# KiCad board sakura50.kicad_pcb (continued)
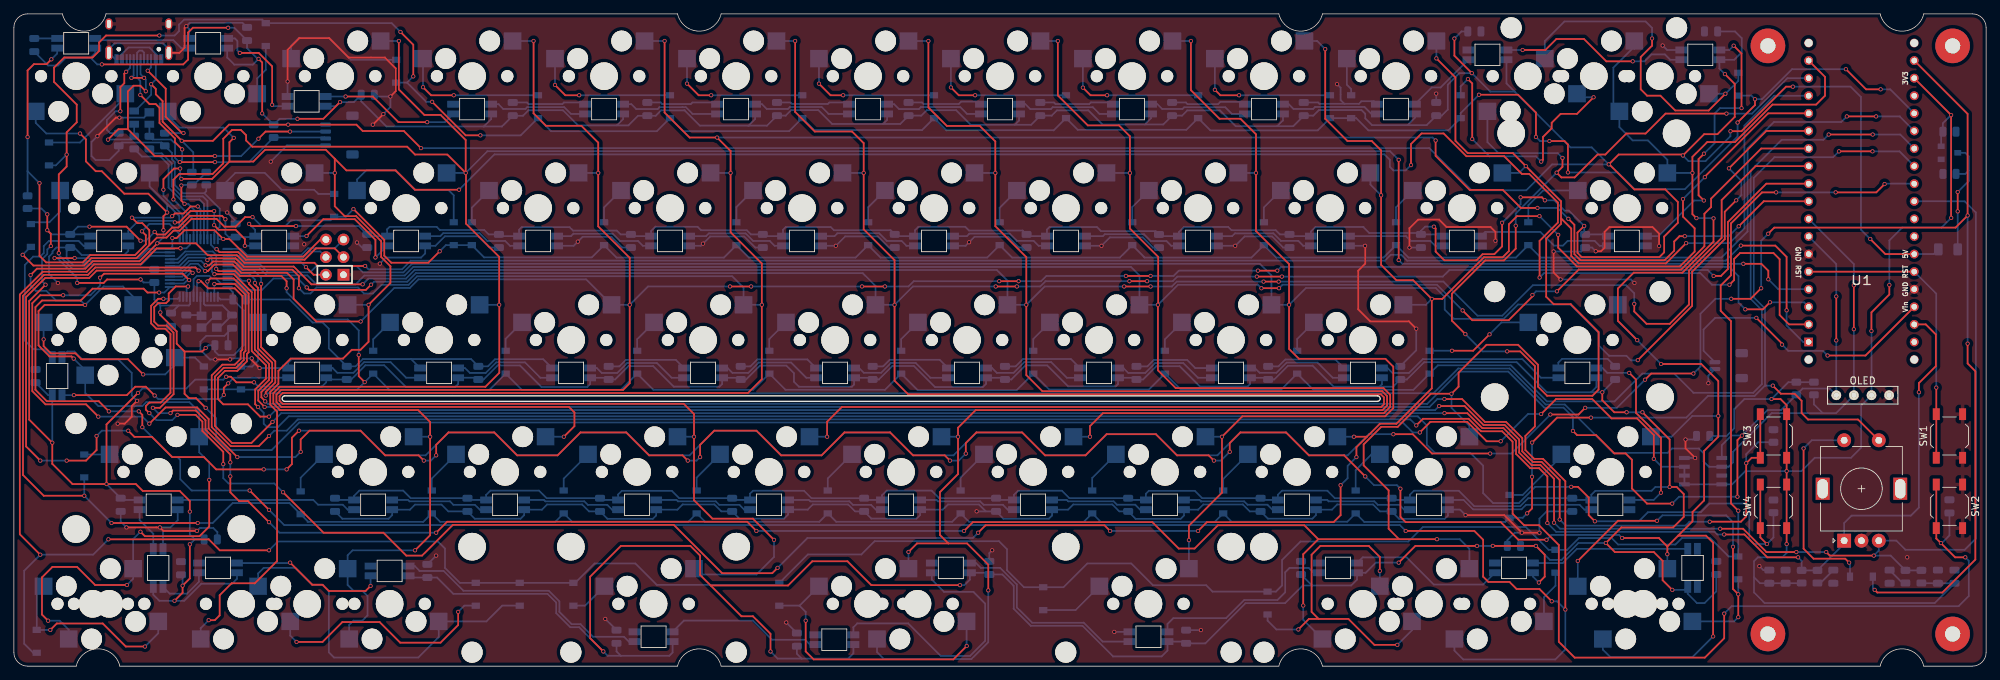
[diagram p0: board, top side]
## Footprints (pads in the part's own frame, mm; a bottom-side part is the same pattern mirrored in y, then rotated) (continued)
  rect 1.7x1.7 hole 1: 6(1.27,-2.54)
RotaryEncoder_EC11
  rect 3.2x2 hole 2.8x1.5 unplated: (0,5.6) (0,-5.6)
  rect 2x2 hole 1: A(-7.5,2.5)
  round 2 hole 1: B(-7.5,-2.5) C(-7.5,0) S1(7,-2.5) S2(7,2.5)
SOT-143
  rect 1.4x1.2 smd: 1(-1.1,0.77)
  rect 1.4x1 smd: 2(-1.1,-0.95) 3(1.1,-0.95) 4(1.1,0.95)
SW_SPST_TL3342
  rect 1.7x1 smd: 1(-3.15,1.9) 1(3.15,1.9) 2(-3.15,-1.9) 2(3.15,-1.9)
Torex-XC6206P332MR
  rect 1x0.8 smd: 1(-1.2,0.95) 2(-1.2,-0.95) 3(1.2,0)
YS-SK6812MINI-E
  rect 1.7x1 smd: 1(2.75,0.7) 2(2.75,-0.7) 3(-2.75,-0.7) 4(-2.75,0.7)

## Nets
/VBatt: J4.1 U1.32
/VBUS: C78.1 F1.2 RG1.3
/VCC: C1.2 C24.2 C25.2 C26.2 C27.2 C28.2 C30.2 C31.1 C76.2 C77.2 J1.3 J2.1 R4.1 R5.1 R14.2 R15.2 RG1.2 SW3.2 SW4.2 U1.19 U2.1 U2.9 U2.24 U2.36 U2.48 U3.1 U3.2 U3.3 U3.8
GND: C1.1 C2.2 C3.2 C8.2 C9.2 C10.2 C11.2 C12.2 C13.2 C14.2 C15.2 C16.2 C17.2 C18.2 C19.2 C20.2 C21.2 C22.2 C24.1 C25.1 C26.1 C27.1 C28.1 C29.1 C30.1 C31.2 C32.1 C33.1 C34.1 C35.1 C36.1 C37.1 C38.1 C39.1 C40.1 C41.1 C42.1 C43.1 C44.1 C45.1 C46.2 C47.2 C48.2 C49.2 C50.2 C51.2 C52.2 C53.2 C54.2 C55.2 C56.2 C57.2 C58.2 C59.2 C60.1 C61.1 C62.1 C63.1 C64.1 C65.1 C66.1 C67.1 C68.1 C69.1 C70.1 C71.1 C72.1 C73.1 C74.2 C75.2 C76.1 C77.1 C78.2 J1.4 J2.6 J3.4 J4.2 LED1.3 LED2.3 LED3.3 LED4.3 LED5.3 LED6.3 LED7.3 LED8.3 LED9.3 LED10.3 LED11.3 LED12.3 LED13.3 LED14.3 LED15.3 LED16.3 LED17.3 LED18.3 LED19.3 LED20.3 LED21.3 LED22.3 LED23.3 LED24.3 LED25.3 LED26.3 LED27.3 LED28.3 LED29.3 LED30.3 LED31.3 LED32.3 LED33.3 LED34.3 LED35.3 LED36.3 LED37.3 LED38.3 LED39.3 LED40.3 LED41.3 LED42.3 LED43.3 LED44.3 LED45.3 LED46.3 LED47.3 LED48.3 LED49.3 LED50.3 LED51.3 LED52.3 LED53.3 LED54.3 LED55.3 LED56.3 LED57.3 MX50.C R3.2 R7.1 R8.2 R11.2 R12.2 RG1.1 SW1.2 SW2.1 U1.6 U1.31 U2.8 U2.23 U2.35 U2.47 U3.4 U3.7 USB1.1 USB1.12 USB1.13 USB2.1 Y1.2 Y1.4
/Boot0: R3.1 SW3.1 U2.44
/Boot1: R12.1 SW4.1 U2.20
/DM: J3.2 R1.2 USB1.5 USB1.7 USB2.3
/DP: J3.3 R2.2 R9.2 USB1.6 USB1.8 USB2.2
/USB_DETECT: R10.2 R11.1 U2.30
/VUSB: C10.1 C11.1 C12.1 C13.1 C14.1 C15.1 C16.1 C17.1 C18.1 C19.1 C20.1 C21.1 C22.1 C32.2 C33.2 C34.2 C35.2 C36.2 C37.2 C38.2 C39.2 C40.2 C41.2 C42.2 C43.2 C44.2 C45.2 C46.1 C47.1 C48.1 C49.1 C50.1 C51.1 C52.1 C53.1 C54.1 C55.1 C56.1 C57.1 C58.1 C59.1 C60.2 C61.2 C62.2 C63.2 C64.2 C65.2 C66.2 C67.2 C68.2 C69.2 C70.2 C71.2 C72.2 C73.2 C74.1 C75.1 F1.1 J3.1 LED1.1 LED2.1 LED3.1 LED4.1 LED5.1 LED6.1 LED7.1 LED8.1 LED9.1 LED10.1 LED11.1 LED12.1 LED13.1 LED14.1 LED15.1 LED16.1 LED17.1 LED18.1 LED19.1 LED20.1 LED21.1 LED22.1 LED23.1 LED24.1 LED25.1 LED26.1 LED27.1 LED28.1 LED29.1 LED30.1 LED31.1 LED32.1 LED33.1 LED34.1 LED35.1 LED36.1 LED37.1 LED38.1 LED39.1 LED40.1 LED41.1 LED42.1 LED43.1 LED44.1 LED45.1 LED46.1 LED47.1 LED48.1 LED49.1 LED50.1 LED51.1 LED52.1 LED53.1 LED54.1 LED55.1 LED56.1 LED57.1 R9.1 R10.1 R13.1 U1.29 USB1.2 USB1.11 USB2.4
col0: MX1.2 MX15.2 MX27.2 MX28.2 MX39.2 MX51.2 MX60.2 U1.1 U2.26
col1: MX2.2 MX16.2 MX29.2 MX52.2 U1.2 U2.27
col2: MX3.2 MX17.2 MX30.2 MX40.2 MX53.2 MX61.2 U1.4 U2.29
col3: MX4.2 MX18.2 MX31.2 MX41.2 U1.3 U2.17
col4: MX5.2 MX19.2 MX32.2 MX42.2 MX54.2 U1.9 U2.18
col5: MX6.2 MX20.2 MX33.2 MX43.2 U1.10 U2.46
col6: MX7.2 MX21.2 MX34.2 MX44.2 MX55.2 MX62.2 U1.11 U2.19
col7: MX8.2 MX22.2 MX35.2 MX45.2 U1.12 U2.41
col8: MX9.2 MX23.2 MX36.2 MX46.2 MX56.2 U1.13 U2.40
col9: MX10.2 MX24.2 MX37.2 MX47.2 U1.14 U2.12
col10: MX11.2 MX25.2 MX48.2 MX57.2 MX63.2 U1.15 U2.10
col11: MX12.2 MX58.2 U1.16 U2.13
col12: MX13.2 MX14.2 MX26.2 MX38.2 MX49.2 MX59.2 MX64.2 U1.17 U2.14
col13: D48.2 U1.18 U2.15
D+: R2.1 U2.33
D-: R1.1 U2.32
JTDI: J2.3 U2.38
JTDO: J2.5 U2.39
NRST: C29.2 SW2.2 U2.7
rot0: MX50.A R4.2 R16.1 U1.33 U2.2
rot1: MX50.B R5.2 R17.1 U1.26 U2.4
row0: D1.1 D2.1 D3.1 D4.1 D5.1 D6.1 D7.1 D8.1 D9.1 D10.1 D11.1 D12.1 D13.1 U1.21 U2.22
row1: D14.1 D15.1 D16.1 D17.1 D18.1 D19.1 D20.1 D21.1 D22.1 D23.1 D24.1 D25.1 U1.22 U2.31
row2: D26.1 D27.1 D28.1 D29.1 D30.1 D31.1 D32.1 D33.1 D34.1 D35.1 D36.1 U1.23 U2.21
row3: D37.1 D38.1 D39.1 D40.1 D41.1 D42.1 D43.1 D44.1 D45.1 D46.1 D47.1 MX50.S1 U1.24 U2.16
row4: D49.1 D50.1 D51.1 D52.1 D53.1 D54.1 D55.1 D56.1 D57.1 U1.25 U2.28
RST: SW1.1 U1.5 U1.30
SCL: J1.2 R14.1 U1.8 U2.42 U3.6
SDA: J1.1 R15.1 U1.7 U2.43 U3.5
SK6812: LED1.4 R13.2 U2.25
SWCLK-JTCK: J2.2 U2.37
SWDIO-JTMS: J2.4 U2.34
XTAL1: C8.1 U2.5 Y1.3
XTAL2: C9.1 U2.6 Y1.1
Net-(C2-Pad1): C2.1 R16.2
Net-(C3-Pad1): C3.1 R17.2
Net-(D1-Pad2): D1.2 MX1.1
Net-(D2-Pad2): D2.2 MX2.1
Net-(D3-Pad2): D3.2 MX3.1
Net-(D4-Pad2): D4.2 MX4.1
Net-(D5-Pad2): D5.2 MX5.1
Net-(D6-Pad2): D6.2 MX6.1
Net-(D7-Pad2): D7.2 MX7.1
Net-(D8-Pad2): D8.2 MX8.1
Net-(D9-Pad2): D9.2 MX9.1
Net-(D10-Pad2): D10.2 MX10.1
Net-(D11-Pad2): D11.2 MX11.1
Net-(D12-Pad2): D12.2 MX12.1
Net-(D13-Pad2): D13.2 MX13.1 MX14.1
Net-(D14-Pad2): D14.2 MX15.1
Net-(D15-Pad2): D15.2 MX16.1
Net-(D16-Pad2): D16.2 MX17.1
Net-(D17-Pad2): D17.2 MX18.1
Net-(D18-Pad2): D18.2 MX19.1
Net-(D19-Pad2): D19.2 MX20.1
Net-(D20-Pad2): D20.2 MX21.1
Net-(D21-Pad2): D21.2 MX22.1
Net-(D22-Pad2): D22.2 MX23.1
Net-(D23-Pad2): D23.2 MX24.1
Net-(D24-Pad2): D24.2 MX25.1
Net-(D25-Pad2): D25.2 MX26.1
Net-(D26-Pad2): D26.2 MX27.1 MX28.1
Net-(D27-Pad2): D27.2 MX29.1
Net-(D28-Pad2): D28.2 MX30.1
Net-(D29-Pad2): D29.2 MX31.1
Net-(D30-Pad2): D30.2 MX32.1
Net-(D31-Pad2): D31.2 MX33.1
Net-(D32-Pad2): D32.2 MX34.1
Net-(D33-Pad2): D33.2 MX35.1
Net-(D34-Pad2): D34.2 MX36.1
Net-(D35-Pad2): D35.2 MX37.1
Net-(D36-Pad2): D36.2 MX38.1
Net-(D37-Pad2): D37.2 MX39.1
Net-(D38-Pad2): D38.2 MX40.1
Net-(D39-Pad2): D39.2 MX41.1
Net-(D40-Pad2): D40.2 MX42.1
Net-(D41-Pad2): D41.2 MX43.1
Net-(D42-Pad2): D42.2 MX44.1
Net-(D43-Pad2): D43.2 MX45.1
Net-(D44-Pad2): D44.2 MX46.1
Net-(D45-Pad2): D45.2 MX47.1
Net-(D46-Pad2): D46.2 MX48.1
Net-(D47-Pad2): D47.2 MX49.1
Net-(D48-Pad1): D48.1 MX50.S2
Net-(D49-Pad2): D49.2 MX51.1 MX60.1
Net-(D50-Pad2): D50.2 MX52.1
Net-(D51-Pad2): D51.2 MX53.1 MX61.1
Net-(D52-Pad2): D52.2 MX54.1
Net-(D53-Pad2): D53.2 MX55.1 MX62.1
Net-(D54-Pad2): D54.2 MX56.1
Net-(D55-Pad2): D55.2 MX57.1 MX63.1
Net-(D56-Pad2): D56.2 MX58.1
Net-(D57-Pad2): D57.2 MX59.1 MX64.1
Net-(LED1-Pad2): LED1.2 LED2.4
Net-(LED2-Pad2): LED2.2 LED3.4
Net-(LED3-Pad2): LED3.2 LED4.4
Net-(LED4-Pad2): LED4.2 LED5.4
Net-(LED5-Pad2): LED5.2 LED6.4
Net-(LED6-Pad2): LED6.2 LED7.4
Net-(LED7-Pad2): LED7.2 LED8.4
Net-(LED8-Pad2): LED8.2 LED9.4
Net-(LED10-Pad2): LED10.2 LED11.4
Net-(LED10-Pad4): LED9.2 LED10.4
Net-(LED11-Pad2): LED11.2 LED12.4
Net-(LED12-Pad2): LED12.2 LED13.4
Net-(LED13-Pad2): LED13.2 LED14.4
Net-(LED14-Pad2): LED14.2 LED15.4
Net-(LED15-Pad2): LED15.2 LED16.4
Net-(LED16-Pad2): LED16.2 LED17.4
Net-(LED17-Pad2): LED17.2 LED18.4
Net-(LED18-Pad2): LED18.2 LED19.4
Net-(LED19-Pad2): LED19.2 LED20.4
Net-(LED20-Pad2): LED20.2 LED21.4
Net-(LED21-Pad2): LED21.2 LED22.4
Net-(LED22-Pad2): LED22.2 LED23.4
Net-(LED23-Pad2): LED23.2 LED24.4
Net-(LED24-Pad2): LED24.2 LED25.4
Net-(LED25-Pad2): LED25.2 LED26.4
Net-(LED26-Pad2): LED26.2 LED27.4
Net-(LED27-Pad2): LED27.2 LED28.4
Net-(LED28-Pad2): LED28.2 LED29.4
Net-(LED29-Pad2): LED29.2 LED30.4
Net-(LED30-Pad2): LED30.2 LED31.4
Net-(LED31-Pad2): LED31.2 LED32.4
Net-(LED32-Pad2): LED32.2 LED33.4
Net-(LED33-Pad2): LED33.2 LED34.4
Net-(LED34-Pad2): LED34.2 LED35.4
Net-(LED35-Pad2): LED35.2 LED36.4
Net-(LED36-Pad2): LED36.2 LED37.4
Net-(LED37-Pad2): LED37.2 LED38.4
Net-(LED38-Pad2): LED38.2 LED39.4
Net-(LED39-Pad2): LED39.2 LED40.4
Net-(LED40-Pad2): LED40.2 LED41.4
Net-(LED41-Pad2): LED41.2 LED42.4
Net-(LED42-Pad2): LED42.2 LED43.4
Net-(LED43-Pad2): LED43.2 LED44.4
Net-(LED44-Pad2): LED44.2 LED45.4
Net-(LED45-Pad2): LED45.2 LED46.4
Net-(LED46-Pad2): LED46.2 LED47.4
Net-(LED47-Pad2): LED47.2 LED48.4
Net-(LED48-Pad2): LED48.2 LED49.4
Net-(LED49-Pad2): LED49.2 LED50.4
Net-(LED50-Pad2): LED50.2 LED51.4
Net-(LED51-Pad2): LED51.2 LED52.4
Net-(LED52-Pad2): LED52.2 LED53.4
Net-(LED53-Pad2): LED53.2 LED54.4
Net-(LED54-Pad2): LED54.2 LED55.4
Net-(LED55-Pad2): LED55.2 LED56.4
Net-(LED56-Pad2): LED56.2 LED57.4
Net-(R7-Pad2): R7.2 USB1.4
Net-(R8-Pad1): R8.1 USB1.10

Pads without a net: J3 MP; J4 MP; LED57 2; U1 20 27 28 34; U2 3 11 45; USB1 3 9

## Via types
v1: diameter 0.6, hole 0.4, Top to Bottom, 522 vias

## Routing (per net, layer and track width the routed paths; a pad name or vN(x,y) marks a point on that pad's centre or on a via; arc(x,y) is an arc through that point)
/VBatt: length 41.8
  Top w0.25: U1.32 267.29,44.86 v1(261.81,44.86) ; v1(255.24,46.44) 255.24,46.59 v1(251.53,50.29)
  Bottom w0.25: v1(261.81,44.86) 261.13,45.54 256.14,45.54 v1(255.24,46.44) ; J4.1 243.91,45.53 243.91,48.62 245.58,50.29 v1(251.53,50.29)
/VBUS: length 18
  Top w0.25: v1(280.59,65.67) v1(280.59,68.47)
  Bottom w0.25: 282.19,71.59 281.69,71.09 C78.1 ; 282.19,71.59 282.19,70.07 v1(280.59,68.47) ; 282.19,71.59 282.19,73.63 281.69,74.13 RG1.3 ; F1.2 v1(280.59,65.67)
/VCC: length 538.9
  Top w0.25: v1(220.46,36.42) 222.62,38.57 227.84,38.57 230.63,35.78 234.31,35.78 236.73,33.37 v1(236.73,29.94) ; U1.19 v1(279.64,79.59) 279.64,64.75 ; v1(202.95,33.75) 204.47,35.28 209.8,35.28 212.6,32.48 v1(214.63,32.48) ; v1(27.69,37.3) 26.29,38.7 25.27,38.7 24.64,39.34 24.64,45.43 ; v1(253.72,38.57) 255.02,38.57 255.9,37.69 SW3.2 SW3.2 v1(255.9,28.17) SW4.2 SW4.2 v1(255.9,17.63) ; J2.1 44.24,61.61 41.78,59.15 33.65,59.15 31.11,61.69 v1(30.23,61.69) 28.96,62.96 24.64,62.96 23.5,61.81 22.9,61.81 v1(22.88,61.83) ; 24.64,45.43 23.51,46.56 23.51,48.34 21.14,50.7 v1(21.14,51.08) ; 24.64,45.43 27.18,45.43 v1(27.69,45.94) ; v1(268.14,48.4) 268.14,51.09 270.72,53.67 v1(270.72,55.04) ; v1(5.88,58.93) v1(8.77,58.93) ; v1(9.14,55.34) 12.95,55.34 13.46,55.85 v1(18.29,55.85)
  Bottom w0.25: U2.9 25.44,52.26 25.26,52.09 23.79,52.09 ; C27.2 23.79,52.09 ; 23.79,52.09 21.14,52.09 ; v1(30.23,61.69) 30.21,61.67 U2.36 ; U2.1 29.83,52.95 C25.2 ; R14.2 R15.2 256.15,41.01 v1(253.72,38.57) 249.8,38.57 248.34,37.11 248.34,34.35 247.23,33.24 C31.1 ; C25.2 31.61,54 U2.48 ; C25.2 33.2,51.37 33.2,46.37 31.75,44.92 29.55,44.92 29.02,45.45 C26.2 28.09,46.34 v1(27.69,45.94) ; v1(255.9,17.63) 255.9,16.34 255.27,15.71 251.75,15.71 251.19,15.15 251.19,12.84 ; v1(214.63,32.48) 218.57,36.42 v1(220.46,36.42) ; v1(236.73,29.94) 237.87,28.8 U3.3 241.14,26.26 248.03,26.26 249.94,28.17 v1(255.9,28.17) 258.04,28.17 259.96,30.09 265.19,30.09 266.65,31.56 266.65,37.63 J1.3 268.15,48.39 v1(268.14,48.4) ; RG1.2 278.2,76.93 C77.2 278.45,78.4 v1(279.64,79.59) ; 21.14,52.09 v1(21.14,51.08) ; 21.14,52.09 20.28,52.95 C28.2 18.73,55.4 v1(18.29,55.85) ; 251.19,12.84 252.06,11.97 C24.2 C1.2 258.03,11.97 R4.1 ; 251.19,12.84 251.19,10.65 252.73,9.11 277.27,9.11 C30.2 C76.2 275.39,11.97 R5.1 ; v1(5.88,58.93) 6.28,58.93 9.14,56.07 v1(9.14,55.34) ; v1(279.65,64.74) 278.26,63.34 272.59,63.34 270.72,61.47 v1(270.72,55.04) ; v1(27.69,37.3) 29.21,35.78 29.21,32.99 30.99,31.21 37.21,31.21 41.19,35.18 200.49,35.18 201.93,33.75 v1(202.95,33.75) ; v1(8.77,58.93) 18.07,58.93 19.4,60.26 U2.24 22.88,60.61 v1(22.88,61.83)
GND: length 874.8
  Top w0.25: v1(34.33,44.46) 34.33,44.18 v1(35.46,43.05) ; v1(39.51,84.44) 39.51,89.01 41.2,90.7 45.52,90.7 48.33,87.89 53.55,87.89 55.12,86.32 55.12,83.03 v1(54.36,82.26) ; v1(223.27,55.85) 222.26,56.85 v1(222.26,59.88) ; v1(16.26,20.03) 16.26,20.03 v1(21.08,20.03) 21.59,19.52 v1(26.42,19.52) ; v1(201.45,60.45) 201.45,63.24 202.69,64.48 205.74,64.48 206.81,63.41 213.16,63.41 213.87,62.7 v1(213.87,61.43) ; v1(241.3,32.73) 241.3,31.46 v1(242.7,30.06) ; v1(15.24,79.21) 14.74,79.21 v1(12.06,76.54) ; v1(228.35,59.91) 229.11,59.91 229.62,60.42 229.62,62.7 230.32,63.41 236.53,63.41 237.49,62.45 v1(237.49,60.67) ; v1(17.78,38.32) 17.02,37.56 17.02,36.03 16,35.02 v1(14.99,35.02) ; v1(202.44,48.73) 201.37,49.8 195.79,49.8 194.06,51.53 194.06,57.12 195.07,58.13 195.07,60.67 v1(195.04,60.7) ; v1(220.22,19.27) v1(217.68,19.27) 215.14,21.81 v1(209.55,21.81) ; v1(24.89,92.42) 24.64,92.17 24.64,89.32 23.89,88.56 USB1.13 ; v1(31.2,44.29) v1(29.09,44.29) ; v1(53.34,79.72) v1(51.82,78.2)
  Bottom w0.25: USB1.1 14.64,87.65 13.72,88.56 13.72,89.12 14.56,89.95 21.52,89.95 22.36,89.11 USB1.13 ; U2.35 28.94,62.66 29.72,63.44 29.72,66.07 27.49,68.29 ; v1(12.06,76.54) 11.2,75.67 11.2,73.69 11.79,73.09 13.8,73.09 15.14,74.43 R7.1 15.61,75.61 21.32,75.61 R8.2 22.82,74.11 22.82,73.21 23.25,72.78 23.25,69.46 24.41,68.29 27.49,68.29 ; LED30.3 95.56,44.23 88.34,44.23 87.41,43.3 C47.2 ; 46.95,44.41 45.47,45.89 45.47,48.73 44.58,49.62 43.13,49.62 39.8,52.95 C25.1 33.51,53.83 32.08,55.26 U2.47 29.89,55.26 29.17,55.98 28.61,55.98 28.24,56.35 26.42,56.35 25.94,55.88 U2.8 ; 46.95,44.41 C45.1 49.33,43.3 50.38,44.35 57.34,44.35 ; 46.95,44.41 40.16,44.41 39.59,43.84 LED27.3 v1(35.46,43.05) ; C10.2 2.95,90.65 LED1.3 ; LED34.3 170.53,43.05 169.36,44.22 164.55,44.22 163.64,43.3 C51.2 ; C67.1 29.37,19.36 28.78,19.95 26.85,19.95 v1(26.42,19.52) ; LED31.3 114.54,44.3 107.32,44.3 106.32,43.3 C48.2 ; v1(223.27,55.85) 233.43,55.85 v1(233.93,55.34) ; LED18.3 v1(157,60.7) 158.22,61.92 162.96,61.92 164.44,60.44 C35.1 ; v1(34.33,44.46) 31.37,44.46 v1(31.2,44.29) ; v1(141.22,16.73) 140.8,16.31 C71.1 ; v1(30.79,65.51) 32.02,64.28 C42.1 ; v1(228.35,59.91) 227.81,60.45 C32.1 226.24,59.88 v1(222.26,59.88) ; C31.2 242.38,32.73 v1(241.3,32.73) ; C34.1 183.23,60.45 181.62,62.06 177.66,62.06 v1(176.3,60.7) LED17.3 ; C52.2 182.55,43.3 183.54,44.28 190.75,44.28 LED35.3 ; v1(217.68,19.27) 216.66,19.27 215.59,18.19 C74.2 ; LED33.3 152.58,44.36 145.67,44.36 144.62,43.3 C50.2 ; C55.2 221.27,22.35 220.22,21.3 v1(220.22,19.27) ; USB2.1 18.79,79.21 v1(15.24,79.21) ; R11.2 27.78,68.58 27.49,68.29 ; C40.1 68.67,60.45 67.04,62.08 62.23,62.08 60.85,60.7 LED23.3 59.38,59.6 58.78,59 53.7,59 v1(52.83,58.13) ; LED11.3 196.33,81.57 194.52,81.57 194.16,81.21 192.06,81.21 ; v1(85.37,6.82) C69.1 ; v1(238,89.63) 238.65,88.98 LED13.3 ; C43.1 8.73,60.45 9.8,59.38 15.94,59.38 16.51,59.95 LED25.3 ; C43.1 7.62,59.93 7.62,58.86 8.63,57.85 9.88,57.85 10.51,58.48 18.25,58.48 19.53,59.76 U2.23 ; C43.1 6.13,60.45 5.59,59.91 5.59,59.65 5.08,59.15 5.08,56.61 v1(6.35,55.34) ; C38.1 107.03,60.45 105.43,62.05 100.52,62.05 v1(99.48,61.01) 99.17,60.7 LED21.3 ; 140.3,22.35 v1(138.97,22.35) ; 140.3,22.35 C59.2 142.84,21.29 149.4,21.29 149.86,21.75 LED41.3 152.17,22.6 152.92,23.35 158.56,23.35 159.56,22.35 C58.2 161.93,21.27 168.43,21.27 168.91,21.76 LED40.3 170.93,22.6 170.94,22.59 171.7,23.35 177.4,23.35 178.4,22.35 C57.2 181.02,21.3 187.45,21.3 187.96,21.81 LED39.3 190.27,22.6 191.02,23.35 196.2,23.35 197.2,22.35 C56.2 199.96,21.27 206.54,21.27 207.01,21.75 LED38.3 208.76,22.6 v1(209.55,21.81) ; 140.3,22.35 139.3,23.35 134.83,23.35 134.08,22.6 LED42.3 130.81,21.81 130.3,21.3 123.79,21.3 C60.1 121.42,22.35 120.42,23.35 115.33,23.35 114.58,22.6 LED43.3 111.76,21.89 111.17,21.3 104.74,21.3 C61.1 102.12,22.35 101.12,23.35 96.54,23.35 95.79,22.6 LED44.3 92.71,21.75 92.24,21.28 85.68,21.28 C62.1 83.03,22.35 82.03,23.35 76.98,23.35 76.23,22.6 LED45.3 73.66,21.81 73.14,21.29 66.54,21.29 C63.1 62.71,22.35 61.72,23.33 57.91,23.33 57.18,22.6 LED46.3 54.61,21.81 54.09,21.29 47.42,21.29 C64.1 ; v1(29.09,44.29) 28.32,44.29 26.92,45.69 26.92,46.85 27.77,47.69 30.39,47.69 30.92,48.23 ; C53.2 202.44,45.61 v1(202.44,48.73) ; 30.99,46.41 C26.1 30.92,48.23 ; C14.2 93.37,81.4 93.61,81.17 93.61,81.17 93.61,81.17 93.62,81.17 97.72,81.17 97.95,81.4 101.25,81.4 LED6.3 ; 57.34,44.35 65.99,44.35 C46.2 68.43,43.3 69.46,44.32 76.42,44.32 LED29.3 ; 57.34,44.35 LED28.3 ; C37.1 126.33,60.45 124.72,62.06 120.01,62.06 v1(118.65,60.7) LED20.3 ; LED10.3 177.36,81.49 174.15,81.49 173.83,81.16 169.42,81.16 169.18,81.4 C18.2 ; C54.2 230.06,44.38 223.48,44.38 222.95,43.84 LED36.3 ; J4.2 244.6,41.97 v1(244.6,40.86) ; C20.2 v1(205.32,82.69) ; LED48.3 21.53,19.59 v1(21.08,20.03) 22.61,20.03 23.66,21.08 LED47.3 ; C12.2 52.29,82.26 v1(54.36,82.26) 54.36,80.74 v1(53.34,79.72) ; Y1.4 27.34,48.9 29.04,50.6 Y1.2 ; C70.1 v1(111.5,6.31) ; C11.2 32.99,92.92 25.39,92.92 v1(24.89,92.42) 25.3,92.01 LED2.3 ; C68.1 v1(60.96,15.97) ; C17.2 150.14,81.4 150.37,81.17 155.23,81.17 155.48,81.42 158.38,81.42 LED9.3 ; LED19.3 137.37,60.7 v1(137.89,61.21) 138.68,62.01 143.52,62.01 145.08,60.45 C36.1 ; 192.06,81.21 188.47,81.21 188.28,81.4 C19.2 ; 192.06,81.21 191.52,81.75 191.52,83.53 v1(191.01,84.04) ; C33.1 v1(201.45,60.45) ; C16.2 131.1,81.4 131.32,81.18 136.4,81.18 136.74,81.52 139.23,81.52 LED8.3 ; v1(251.97,14.44) 252.54,13.87 C24.1 ; C72.1 v1(171.35,5.2) ; v1(37.08,72.86) 39.42,75.2 J3.4 ; v1(49.53,61.18) 50.26,60.45 C41.1 ; 30.92,48.23 C8.2 ; LED32.3 133.65,44.24 126.43,44.24 125.49,43.3 C49.2 ; C39.1 87.81,60.45 86.26,62 82.1,62 v1(81.41,61.31) 80.8,60.7 LED22.3 ; U3.4 v1(242.7,30.06) ; LED5.3 82.2,81.4 79.4,81.4 79.18,81.17 74.29,81.17 74.07,81.4 C13.2 ; v1(17.78,38.32) 17.02,39.08 17.02,42.35 15.07,44.3 9.88,44.3 8.74,45.43 7.74,45.43 LED26.3 ; v1(16.26,20.03) 15.42,20.87 C65.1 ; LED16.3 v1(195.04,60.7) ; LED3.3 v1(39.51,84.44) ; LED7.3 120.3,81.4 117.7,81.4 117.5,81.19 112.32,81.19 112.11,81.4 C15.2 ; LED54.3 v1(158.85,4.95)
  vias: v1(41.91,60.93) v1(273.3,15.71)
/Boot0: length 273.2
  Top w0.25: v1(33.93,55.65) 33.93,55.19 34.79,54.33 34.79,45.69 36.84,43.64 36.84,41.33 35.28,39.77 35.28,38.35 v1(36.19,37.43) ; SW3.1 SW3.1 250.85,30.09 v1(250.06,29.3) 250.06,21.63 249.3,20.86 244.8,20.86 v1(244.79,20.86) ; v1(223.14,21.17) 223.14,26.89 220.54,29.49 219.27,29.49 217.74,31.02 217.74,32.93 215.39,35.27 212.34,35.27 209.04,38.57 v1(206.5,38.57)
  Bottom w0.25: v1(244.79,20.86) 241.87,20.86 241.31,20.3 224.02,20.3 v1(223.14,21.17) ; v1(36.19,37.43) 204.34,37.43 205.49,38.57 v1(206.5,38.57) ; v1(33.93,55.65) 32.96,55.65 32.39,56.22 32.38,56.22 31.84,56.76 U2.44 ; v1(250.06,29.3) 250.06,30.62 251.77,32.33 R3.1
/Boot1: length 288.3
  Top w0.25: v1(224.81,25.89) 225.79,25.89 227.33,24.35 227.33,21.81 v1(228.22,20.92) ; v1(253.05,17.64) 252.1,18.59 SW4.1 SW4.1 ; v1(35.24,37.42) 34.83,37.84 34.83,39.96 36.39,41.52 36.39,43.46 34.34,45.51 34.34,54.01 31.75,56.6 28.97,56.6 v1(28.96,56.61)
  Bottom w0.25: v1(28.96,56.61) 28.57,56.99 28.57,59.02 28.16,59.44 24.93,59.44 23.75,58.26 U2.20 ; v1(224.81,25.89) 219.6,25.89 217.26,23.55 213.53,23.55 212.09,24.98 212.09,28.94 210.23,30.81 205.12,30.81 203.96,31.97 203.96,34.76 202.64,36.08 39.67,36.08 38.1,34.51 36.58,34.51 36.07,35.02 36.07,36.6 v1(35.24,37.42) ; R12.1 254,18.59 v1(253.05,17.64) 251.19,17.64 250.5,18.32 250.5,22.81 249.82,23.49 244.76,23.49 243.51,22.23 235.88,22.23 234.57,20.92 v1(228.22,20.92)
/DM: length 59.8
  Top w0.25: 16.46,77.54 16.46,83 17.28,83.82 18.26,83.82 v1(19.05,83.02) ; 16.46,77.54 15.09,77.54 v1(13.59,76.04) ; 16.46,77.54 20.33,73.66 v1(29.01,73.66) ; v1(39.86,77.2) 36.34,77.2 v1(35.31,76.17) ; v1(16.97,84.96) v1(18.8,84.96)
  Bottom w0.25: v1(35.31,76.17) 32.8,73.66 v1(29.01,73.66) ; USB2.3 17.36,76.55 R1.2 16.91,76.06 13.61,76.06 v1(13.59,76.04) ; v1(19.05,83.02) 19.05,84.71 v1(18.8,84.96) 18.29,85.47 18.29,87.62 ; 16.85,76.06 17.36,76.57 ; 17.29,87.62 17.29,85.28 v1(16.97,84.96) ; J3.2 v1(39.86,77.2)
/DP: length 53.6
  Top w0.25: v1(24.3,74.62) 23.26,75.67 23.26,76.21 21.02,78.44 21.02,80.63 20.48,81.17 19.58,81.17 v1(18.26,82.49) ; v1(23.95,72.79) v1(29.03,72.79)
  Bottom w0.25: USB2.2 19.57,78.25 R2.2 20.03,76.06 22.67,76.06 23.27,75.46 23.27,73.39 23.87,72.79 v1(23.95,72.79) 24.3,73.14 v1(24.3,74.62) ; v1(29.03,72.79) 33.94,72.79 R9.2 44.85,76.35 J3.3 ; 20.07,76.06 19.56,76.57 ; 18.79,87.62 18.79,88.61 18.51,88.89 18.1,88.89 17.79,88.58 USB1.6 17.79,84.97 17.79,84.97 18.25,84.51 18.25,82.5 v1(18.26,82.49)
/USB_DETECT: length 13.4
  Top w0.25: v1(24.64,66.77) 24.18,67.23 v1(24.18,69.41)
  Bottom w0.25: U2.30 26.44,65.48 25.15,66.77 v1(24.64,66.77) ; v1(24.18,69.41) 24.27,69.5 R10.2 25.95,69.5 R11.1
/VUSB: length 1898.4
  Top w0.25: v1(235.09,36.67) 239.01,32.74 v1(239.01,25.87) 240.03,25.87 241.05,24.86 241.05,21.56 239.52,20.03 232.04,20.03 v1(229.8,17.79) 231.11,16.48 236.73,16.48 238,15.21 238,12.41 v1(239.4,11.02) ; 100.58,11.65 99.06,13.17 99.06,15.97 97.66,17.37 87.63,17.37 83.19,12.92 83.19,4.03 v1(85.09,2.12) ; 100.58,11.65 105.03,7.2 106.68,7.2 109.22,4.67 v1(109.22,2.12) ; 100.58,11.65 111.76,11.65 115.25,15.14 120.33,15.14 123.78,11.7 v1(136.57,11.7) ; v1(30.54,64.54) 30.04,65.03 26.97,65.03 26.96,65.04 25.45,65.04 23.75,63.34 22.85,63.34 21.85,62.33 20.69,62.33 v1(20.32,62.7) ; v1(226.68,63.57) 225.71,62.61 225.71,59.68 226.32,59.08 237.54,59.08 238.22,59.75 238.22,62.04 240.2,64.02 240.2,67.04 238.39,68.84 233.92,68.84 230.31,72.46 ; v1(5.33,60.67) 5.33,62.45 v1(4.83,62.96) v1(4.83,65.24) ; v1(58.77,74.81) 56.29,77.29 50.36,77.29 49.44,78.2 v1(39.59,78.2) 31.07,78.2 28.73,75.87 v1(24.23,75.87) 21.47,78.63 21.47,81.6 20.49,82.58 20.49,83.36 v1(19.81,84.04) ; v1(25.4,17.59) 25.4,12.66 v1(24.36,11.62) 24.36,10.61 v1(23.19,9.44) ; v1(18.29,61.43) 16.26,63.47 v1(10.92,63.47) ; v1(199.9,14.95) 202.31,17.37 v1(211.2,17.37) ; U1.29 270.15,59.51 v1(267.97,61.69) ; v1(207.94,90.63) 207.94,88.16 v1(210.46,85.64) ; v1(40.72,63.55) 34.28,63.55 v1(33.96,63.87) ; v1(230.22,72.45) 231.65,73.88 240.79,73.88 v1(240.92,73.75) 244,76.82 245.91,76.82 248.41,79.32 248.41,84.08 v1(246.99,85.5) ; v1(13.38,26.3) 8.47,26.3 5.54,29.22 v1(5.54,32.27) 2.21,35.6 2.21,52.72 v1(4.57,55.08) ; v1(13.38,26.3) 13.38,34.91 v1(17.92,39.46) ; v1(13.38,26.3) 17.61,26.3 18.61,25.3 23.94,25.3 25.4,23.84 v1(25.4,22.32) ; v1(247.79,77.25) 249.38,77.25 255.81,83.68 v1(256.79,83.68) ; v1(12.7,86.9) 24.45,86.9 25.15,87.6 25.15,91.5 25.84,92.19 v1(30.93,92.19) ; v1(221,67.27) 220.57,67.7 v1(217.5,67.7) ; v1(40.94,79.04) 44.67,79.04 v1(47.08,81.45) ; v1(35.32,87.7) 35.85,87.18 v1(35.85,79.82) ; v1(214.83,64.03) 214.83,60.61 213.71,59.5 212.02,59.5 211.14,58.62 206.48,58.62 205.23,59.87 205.23,63.21 v1(204.98,63.47) ; v1(213.49,17.37) v1(219.71,17.37) 220.98,16.09 220.98,12.92 v1(220.13,12.08) ; v1(232.79,36.67) 231.02,36.67 229.29,38.39 v1(229.29,39.55) ; v1(34.67,40.99) 32.13,40.99 31.33,41.79 v1(30.65,41.79)
  Bottom w0.25: 106.05,78.05 107,79 LED6.1 ; 106.05,78.05 108.7,78.05 C15.1 111.41,79.5 112.2,80.3 116.12,80.3 118.12,78.3 125.47,78.3 ; 106.05,78.05 99.04,78.05 96.82,80.27 96.81,80.27 93.43,80.27 92.65,79.48 90.1,79.48 88.71,78.09 87.04,78.09 ; LED25.1 10.76,62.35 C43.2 ; LED4.1 68.9,79 67.84,77.94 ; LED7.1 126.05,78.88 125.47,78.3 ; 197.13,40.35 190.51,40.35 187.48,43.39 183.91,43.39 181.93,41.4 C52.1 180.81,41.65 LED34.1 178.44,40.73 178.08,40.38 171.22,40.38 168.28,43.32 164.93,43.32 163.01,41.4 C51.1 161.8,41.65 LED33.1 159.39,40.73 159.05,40.4 152.19,40.4 149.15,43.43 146.02,43.43 143.99,41.4 C50.1 142.82,41.65 LED32.1 140.34,40.77 139.87,40.3 132.97,40.3 129.93,43.34 126.81,43.34 124.86,41.4 C49.1 123.72,41.65 LED31.1 121.29,40.67 120.97,40.35 113.33,40.35 112.61,41.07 112.61,42.3 111.51,43.4 107.7,43.4 105.7,41.4 C48.1 104.68,41.65 LED30.1 102.24,40.74 101.86,40.36 95.26,40.36 92.29,43.33 88.72,43.33 86.79,41.4 C47.1 85.61,41.65 LED29.1 83.19,40.74 82.77,40.32 76.16,40.32 73.06,43.42 69.83,43.42 67.81,41.4 C46.1 66.79,41.65 LED28.1 64.14,40.74 63.71,40.31 56.6,40.31 53.45,43.45 50.75,43.45 48.7,41.4 C45.2 45.34,41.4 LED27.1 45.09,40.98 44.49,40.38 35.28,40.38 v1(34.67,40.99) ; 197.13,40.35 199.08,40.35 C53.1 201.08,41.4 203.57,43.89 216.94,43.89 221.28,39.55 227.66,39.55 ; 197.13,40.35 197.49,40.71 LED35.1 ; 216.66,82.96 224.7,74.91 227.76,74.91 v1(230.22,72.45) 222.05,72.45 218.32,68.72 210.41,68.72 204.32,74.81 v1(58.77,74.81) ; 216.66,82.96 215.46,84.15 LED12.1 ; 216.66,82.96 213.14,82.96 v1(210.46,85.64) 208.66,85.64 206.99,83.97 206.99,80.38 206.11,79.5 C20.1 203.95,78.13 201.18,78.13 ; 113.73,1.09 120.42,1.09 121.18,1.84 LED52.1 ; 113.73,1.09 113.03,1.79 C70.2 ; 113.73,1.09 110.26,1.09 v1(109.22,2.12) ; v1(20.32,62.7) 19.05,61.43 v1(18.29,61.43) ; v1(17.92,39.46) 18.56,40.1 24.89,40.1 26.16,41.37 30.23,41.37 v1(30.65,41.79) ; 72.02,79.48 73.49,79.48 74.28,80.28 79.26,80.28 81.44,78.09 87.04,78.09 ; 187.39,11.65 186.06,11.65 183.5,9.1 177.79,9.1 171.99,3.3 C72.2 168.96,3.55 LED54.1 166.53,2.26 165.67,1.4 158.67,1.4 154.25,5.82 146.8,5.82 144.33,8.29 144.33,11.6 142.69,13.24 C71.2 140.55,13.49 LED53.1 138,12.5 137.21,11.7 v1(136.57,11.7) ; 187.39,11.65 C73.2 ; 187.39,11.65 193.04,11.65 193.88,12.5 LED55.1 195.13,13.49 196.6,14.95 v1(199.9,14.95) ; LED15.1 206.03,62.35 C33.2 ; 11.07,87.86 11.75,88.54 LED1.1 ; 11.07,87.86 12.04,86.9 v1(12.7,86.9) ; 11.07,87.86 7.5,87.86 6.38,86.74 4.95,86.74 C10.1 ; v1(30.54,64.54) 30.54,62.44 31.01,61.97 C42.2 34.69,61.97 LED24.1 34.83,63 v1(33.96,63.87) ; LED2.1 30.8,87.9 31.83,86.87 34.49,86.87 v1(35.32,87.7) 35.2,87.7 33.66,89.23 C11.1 31.82,92.19 v1(30.93,92.19) ; v1(39.59,78.2) J3.1 ; 87.04,78.09 87.95,79 LED5.1 ; 227.66,39.55 v1(229.29,39.55) C54.1 ; 227.66,39.55 228.45,40.33 LED36.1 ; LED3.1 46.49,80.86 v1(47.08,81.45) 49.07,81.45 C12.1 50.13,81.57 53.77,77.94 67.84,77.94 ; C22.1 248.45,91.66 249.42,90.69 249.42,88.65 248.34,87.58 LED13.1 246.19,86.3 v1(246.99,85.5) ; 87.63,1.49 94.61,1.49 95.09,1.97 LED51.1 ; 87.63,1.49 85.72,1.49 v1(85.09,2.12) 81.6,5.62 80.33,5.62 78.29,7.65 78.29,9.18 77.03,10.44 63.44,10.44 61.08,12.8 C68.2 57.24,12.8 LED50.1 ; 87.63,1.49 87,2.12 C69.2 ; 125.47,78.3 127.95,78.3 C16.1 130.99,79.5 131.77,80.28 136.01,80.28 138.12,78.18 146.84,78.18 C17.1 149.81,79.5 150.58,80.27 155.1,80.27 157.14,78.23 165.91,78.23 C18.1 168.63,79.5 169.39,80.26 174.09,80.26 176.37,77.98 182.36,77.98 ; LED10.1 183.2,78.82 182.36,77.98 ; v1(235.09,36.67) v1(232.79,36.67) ; v1(24.23,75.87) 25.9,74.2 25.9,71.32 ; v1(4.57,55.08) 4.06,55.59 4.06,58.77 4.83,59.53 4.83,60.16 v1(5.33,60.67) ; 15.59,87.62 15.59,88.4 16.53,89.34 19.57,89.34 20.48,88.43 20.48,87.64 20.49,87.62 20.49,84.72 v1(19.81,84.04) 19.81,82.52 17.46,80.16 USB2.4 ; C33.2 203.11,62.87 203.71,63.47 v1(204.98,63.47) ; C33.2 202.89,62.56 202.88,62.55 195.65,62.55 194.77,63.43 187.89,63.43 187.22,62.76 LED16.1 184.39,62.1 C34.2 182.75,62.35 182.14,62.96 175.77,62.96 175.29,63.43 168.92,63.43 168.18,62.69 LED17.1 165.54,62.1 C35.2 164.82,62.82 156.93,62.82 156.34,63.41 149.49,63.41 149.12,63.04 LED18.1 146.44,62.1 C36.2 145.63,62.91 137.87,62.91 137.33,63.45 130.58,63.45 130.07,62.94 LED19.1 127.41,62.1 C37.2 126.55,62.96 118.37,62.96 117.91,63.41 111.43,63.41 111.03,63.01 LED20.1 108.36,62.1 C38.2 106.4,62.35 105.8,62.95 99.2,62.95 98.69,63.46 92.61,63.46 91.97,62.83 LED21.1 89.32,62.1 C39.2 87.59,62.35 87.05,62.9 80.71,62.9 80.21,63.4 73.31,63.4 72.92,63.02 LED22.1 70.27,62.1 C40.2 68.54,62.35 67.91,62.98 61.49,62.98 61.03,63.44 54.24,63.44 53.88,63.08 LED23.1 51.25,62.1 C41.2 49.8,63.55 v1(40.72,63.55) ; 182.36,77.98 184.68,77.98 C19.1 187.58,79.5 188.39,80.31 194.53,80.31 195.08,79.76 195.08,79.1 196.05,78.13 201.18,78.13 ; C64.2 46.61,24 LED46.1 49.11,24.6 49.86,25.35 56.19,25.35 57.29,24.25 C63.2 65.73,24 LED45.1 68.16,24.72 68.79,25.35 75.81,25.35 76.91,24.25 C62.2 84.86,24 LED44.1 87.21,24.78 87.76,25.32 94.98,25.32 96.05,24.25 C61.2 103.94,24 LED43.1 106.26,24.91 106.69,25.33 114.06,25.33 115.15,24.25 C60.2 122.99,24 LED42.1 125.31,24.67 125.98,25.34 132.48,25.34 133.57,24.25 C59.1 142.03,24 LED41.1 144.36,24.73 144.97,25.34 151.29,25.34 152.37,24.25 C58.1 161.1,24 LED40.1 163.41,24.9 163.83,25.32 170.47,25.32 171.54,24.25 C57.1 180.22,24 LED39.1 182.46,24.75 183.05,25.34 189.6,25.34 190.69,24.25 C56.1 199.14,24 LED38.1 201.51,24.75 202.09,25.33 208.57,25.33 210.8,23.1 217.44,23.1 218.6,24.25 C55.1 225.2,24 LED37.1 227.7,24.74 228.29,25.33 236.4,25.33 236.95,25.87 v1(239.01,25.87) ; 144.48,78.18 145.1,78.79 LED8.1 ; v1(256.79,83.68) 265.13,83.68 266.62,82.19 266.62,63.03 v1(267.97,61.69) ; C44.2 4.94,39.14 LED26.1 v1(5.54,32.27) ; LED47.1 15.67,24 C65.2 v1(13.38,26.3) ; C13.1 70.45,77.94 67.84,77.94 ; v1(4.83,65.24) 3.98,66.09 R13.1 ; C43.2 9.25,63.47 v1(10.92,63.47) ; C43.2 5.43,62.35 v1(4.83,62.96) ; v1(214.83,64.03) 217.5,66.7 v1(217.5,67.7) ; 201.18,78.13 202.25,79.2 LED11.1 ; LED48.1 20.13,10.32 21.01,9.44 v1(23.19,9.44) 24.6,9.44 27.06,11.9 31.5,11.9 32.21,12.62 LED49.1 ; v1(247.79,77.25) 247.78,77.24 247.78,76.53 244.19,72.93 241.74,72.93 v1(240.92,73.75) ; v1(213.49,17.37) v1(211.2,17.37) ; v1(25.4,22.32) 25.4,19.02 26.11,18.3 ; C21.1 208.97,91.66 v1(207.94,90.63) ; U1.29 277.11,59.51 F1.1 ; LED14.1 229.84,62.35 C32.2 226.68,62.49 v1(226.68,63.57) 224.48,65.77 223.86,65.77 222.36,67.27 v1(221,67.27) ; v1(229.8,17.79) 225.85,17.79 223.4,15.34 221.74,15.34 v1(219.71,17.37) C74.1 ; LED9.1 164.15,79.12 163.25,78.23 ; v1(220.13,12.08) 219.28,12.92 LED56.1 ; 24.36,13.2 v1(24.36,11.62) ; 26.11,18.3 C67.2 ; 26.11,18.3 v1(25.4,17.59) ; C75.1 245.75,10.8 244.05,9.11 242.95,9.11 241.62,10.44 LED57.1 241.19,11.02 ; v1(239.4,11.02) 241.44,11.02 241.87,11.44 ; v1(40.94,79.04) 38.37,79.04 R9.1 v1(35.85,79.82)
